# KiCad board output.Panel_R0.5.1_300x300_2layer_step1_Modified.kicad_pcb (continued)
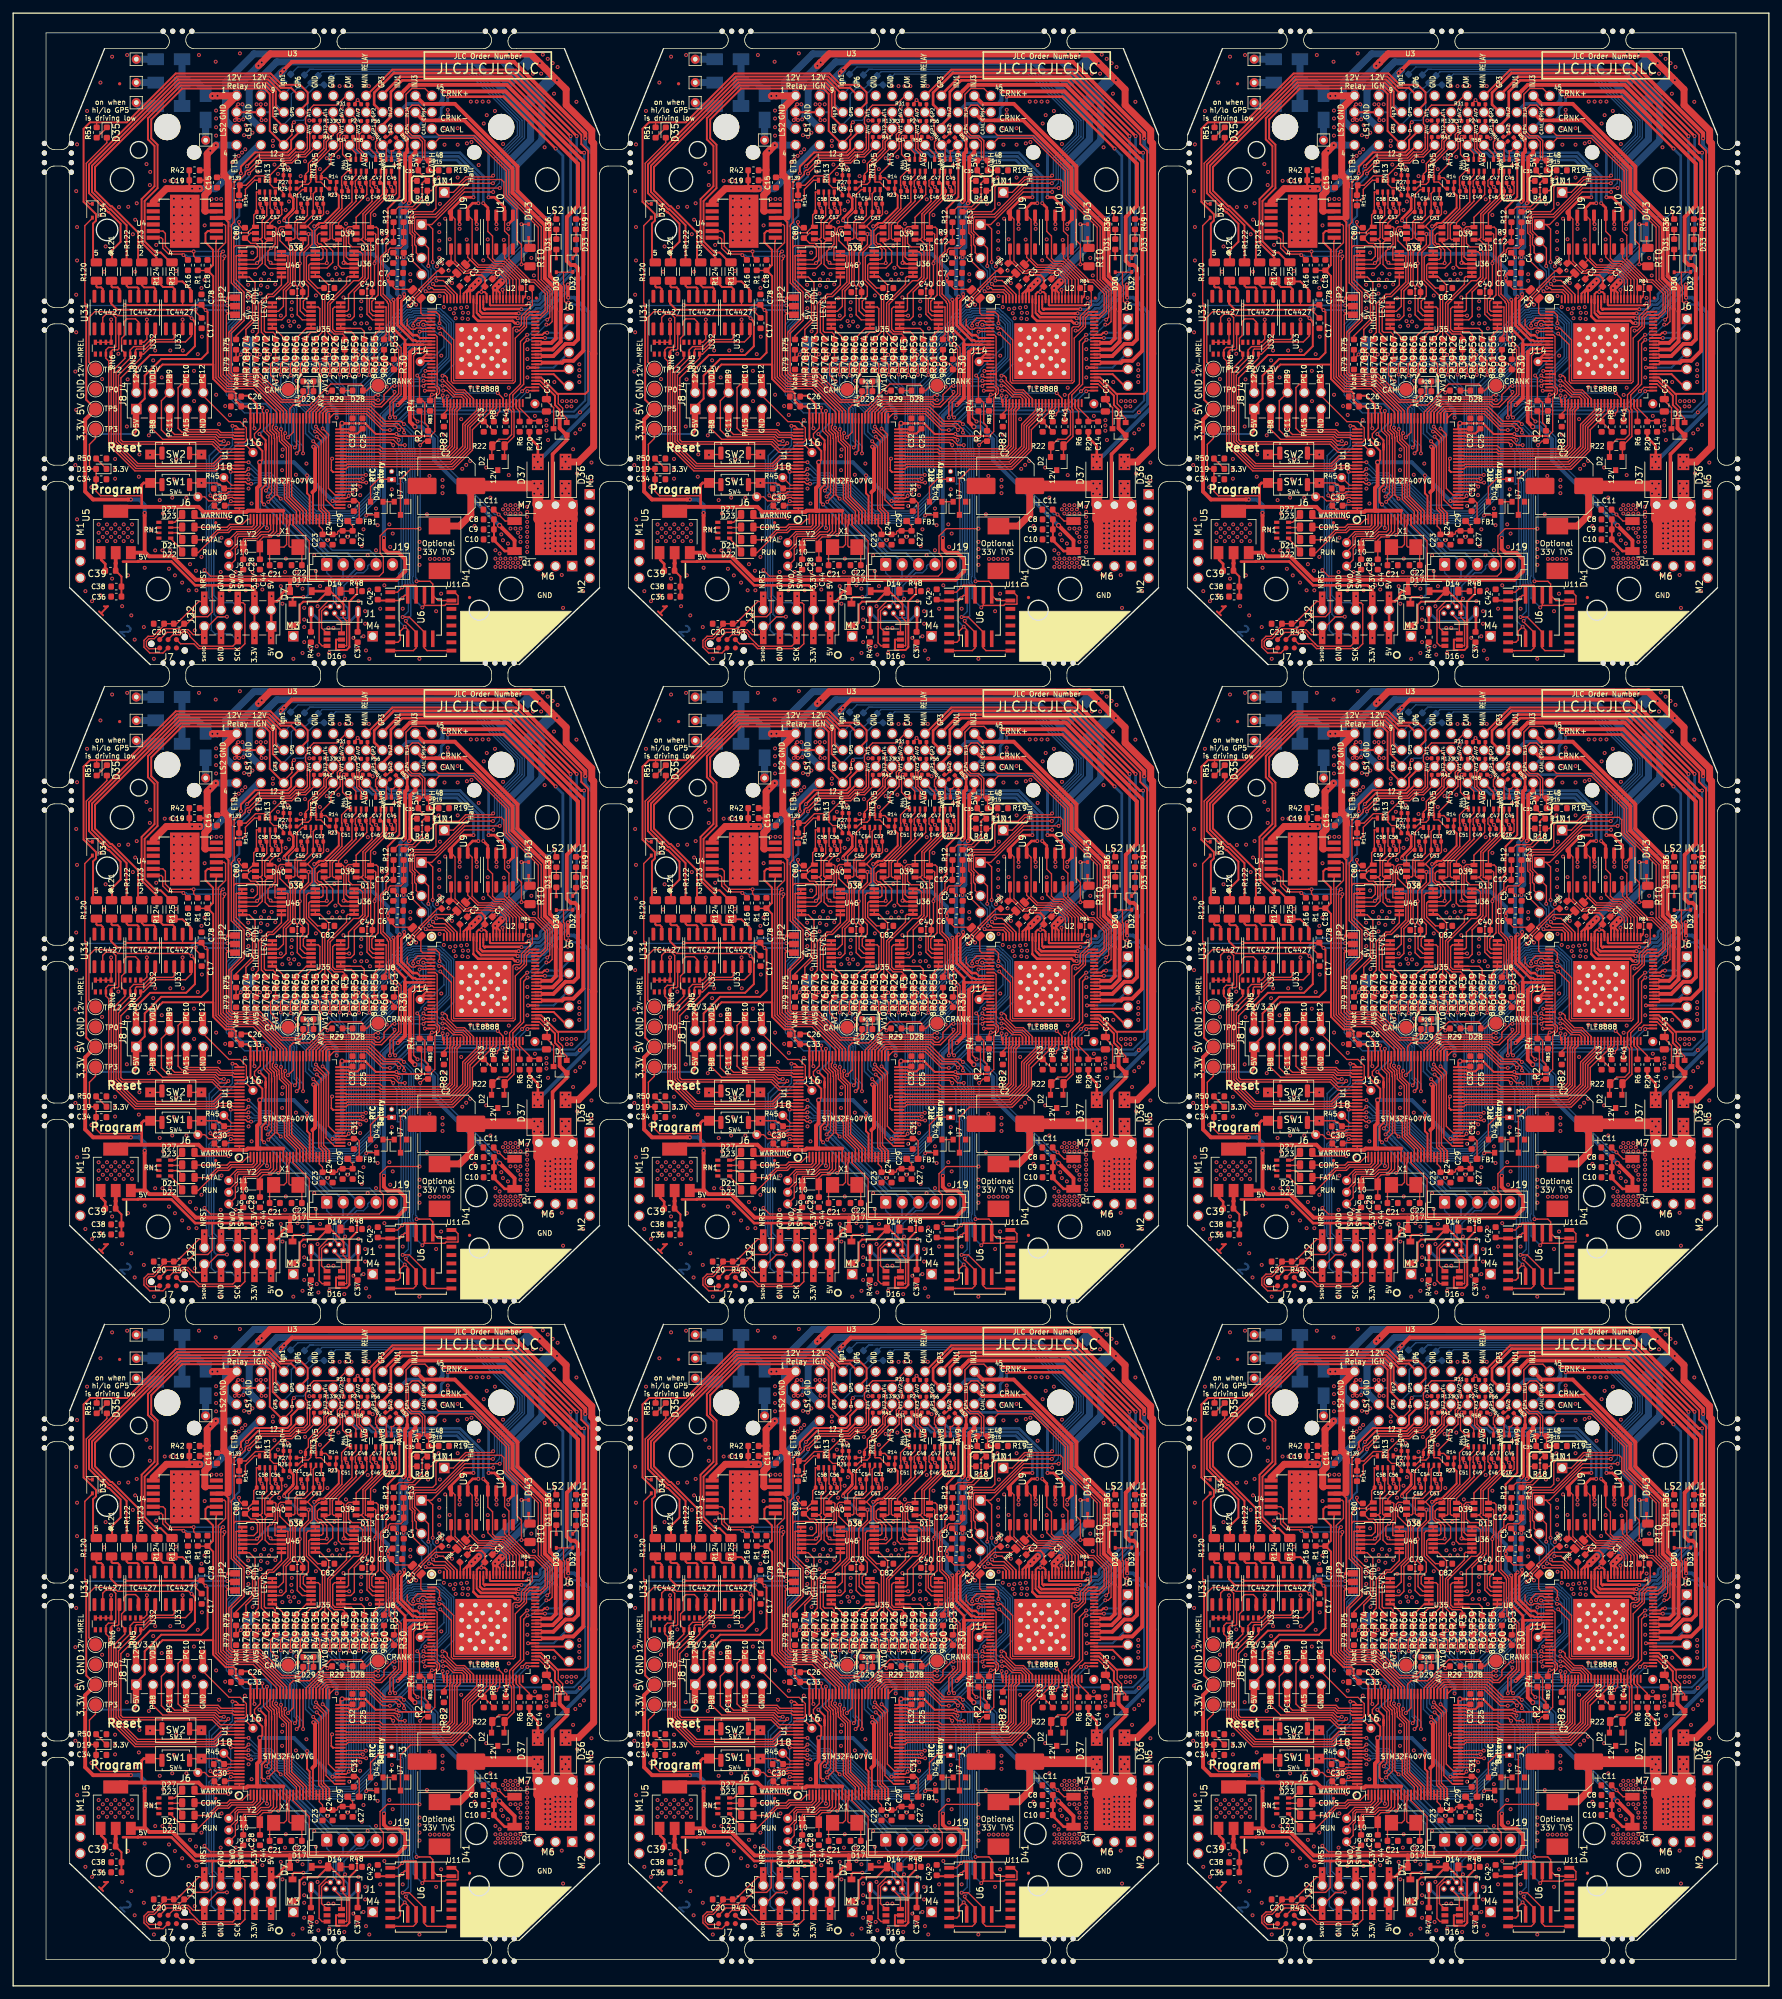
[diagram p0: board, top side]
## Placement (name value [footprint] x y rotation side) (continued)
C37#4  100nF  [C_0603_1608Metric]  137.39 108.11 270 top
C37#5  100nF  [C_0603_1608Metric]  222.39 108.11 270 top
C37#6  100nF  [C_0603_1608Metric]  52.39 108.11 270 top
C37#7  100nF  [C_0603_1608Metric]  222.39 11.11 270 top
C37#8  100nF  [C_0603_1608Metric]  52.39 11.11 270 top
C37#9  100nF  [C_0603_1608Metric]  137.39 11.11 270 top
C38  100nF  [C_0603_1608Metric]  15.69 212.8 180 top
C38#2  100nF  [C_0603_1608Metric]  100.69 212.8 180 top
C38#3  100nF  [C_0603_1608Metric]  185.69 212.8 180 top
C38#4  100nF  [C_0603_1608Metric]  100.69 115.8 180 top
C38#5  100nF  [C_0603_1608Metric]  185.69 115.8 180 top
C38#6  100nF  [C_0603_1608Metric]  15.69 115.8 180 top
C38#7  100nF  [C_0603_1608Metric]  185.69 18.8 180 top
C38#8  100nF  [C_0603_1608Metric]  15.69 18.8 180 top
C38#9  100nF  [C_0603_1608Metric]  100.69 18.8 180 top
C39  22uF  [C_0603_1608Metric]  14.8 215.21 0 top
C39#2  22uF  [C_0603_1608Metric]  99.8 215.21 0 top
C39#3  22uF  [C_0603_1608Metric]  184.8 215.21 0 top
C39#4  22uF  [C_0603_1608Metric]  184.8 118.21 0 top
C39#5  22uF  [C_0603_1608Metric]  99.8 118.21 0 top
C39#6  22uF  [C_0603_1608Metric]  14.8 118.21 0 top
C39#7  22uF  [C_0603_1608Metric]  184.8 21.21 0 top
C39#8  22uF  [C_0603_1608Metric]  99.8 21.21 0 top
C39#9  22uF  [C_0603_1608Metric]  14.8 21.21 0 top
C40  10nF  [C_0603_1608Metric]  53.85 257.56 180 top
C40#2  10nF  [C_0603_1608Metric]  138.85 257.56 180 top
C40#3  10nF  [C_0603_1608Metric]  223.85 257.56 180 top
C40#4  10nF  [C_0603_1608Metric]  138.85 160.56 180 top
C40#5  10nF  [C_0603_1608Metric]  223.85 160.56 180 top
C40#6  10nF  [C_0603_1608Metric]  53.85 160.56 180 top
C40#7  10nF  [C_0603_1608Metric]  223.85 63.56 180 top
C40#8  10nF  [C_0603_1608Metric]  53.85 63.56 180 top
C40#9  10nF  [C_0603_1608Metric]  138.85 63.56 180 top
C41  2.2uF  [C_0603_1608Metric]  74.9 237.12 270 top
C41#2  2.2uF  [C_0603_1608Metric]  159.9 237.12 270 top
C41#3  2.2uF  [C_0603_1608Metric]  244.9 237.12 270 top
C41#4  2.2uF  [C_0603_1608Metric]  74.9 140.12 270 top
C41#5  2.2uF  [C_0603_1608Metric]  244.9 140.12 270 top
C41#6  2.2uF  [C_0603_1608Metric]  159.9 140.12 270 top
C41#7  2.2uF  [C_0603_1608Metric]  74.9 43.12 270 top
C41#8  2.2uF  [C_0603_1608Metric]  244.9 43.12 270 top
C41#9  2.2uF  [C_0603_1608Metric]  159.9 43.12 270 top
C42  100nF  [C_0603_1608Metric]  55.45 211.6 270 top
C42#2  100nF  [C_0603_1608Metric]  140.45 211.6 270 top
C42#3  100nF  [C_0603_1608Metric]  225.45 211.6 270 top
C42#4  100nF  [C_0603_1608Metric]  140.45 114.6 270 top
C42#5  100nF  [C_0603_1608Metric]  225.45 114.6 270 top
C42#6  100nF  [C_0603_1608Metric]  55.45 114.6 270 top
C42#7  100nF  [C_0603_1608Metric]  225.45 17.6 270 top
C42#8  100nF  [C_0603_1608Metric]  55.45 17.6 270 top
C42#9  100nF  [C_0603_1608Metric]  140.45 17.6 270 top
C43  22uF 25V  [C_0805_2012Metric]  81.1 240.36 270 top
C43#2  22uF 25V  [C_0805_2012Metric]  166.1 240.36 270 top
C43#3  22uF 25V  [C_0805_2012Metric]  251.1 240.36 270 top
C43#4  22uF 25V  [C_0805_2012Metric]  251.1 143.36 270 top
C43#5  22uF 25V  [C_0805_2012Metric]  166.1 143.36 270 top
C43#6  22uF 25V  [C_0805_2012Metric]  81.1 143.36 270 top
C43#7  22uF 25V  [C_0805_2012Metric]  251.1 46.36 270 top
C43#8  22uF 25V  [C_0805_2012Metric]  166.1 46.36 270 top
C43#9  22uF 25V  [C_0805_2012Metric]  81.1 46.36 270 top
C44  6.8pF  [C_0603_1608Metric]  37.53 216.16 90 top
C44#2  6.8pF  [C_0603_1608Metric]  122.53 216.16 90 top
C44#3  6.8pF  [C_0603_1608Metric]  207.53 216.16 90 top
C44#4  6.8pF  [C_0603_1608Metric]  207.53 119.16 90 top
C44#5  6.8pF  [C_0603_1608Metric]  122.53 119.16 90 top
C44#6  6.8pF  [C_0603_1608Metric]  37.53 119.16 90 top
C44#7  6.8pF  [C_0603_1608Metric]  207.53 22.16 90 top
C44#8  6.8pF  [C_0603_1608Metric]  122.53 22.16 90 top
C44#9  6.8pF  [C_0603_1608Metric]  37.53 22.16 90 top
C45  100nF  [C_0402_1005Metric]  57.22 272.93 0 top
C45#2  100nF  [C_0402_1005Metric]  142.22 272.93 0 top
C45#3  100nF  [C_0402_1005Metric]  227.21 272.93 0 top
C45#4  100nF  [C_0402_1005Metric]  57.22 175.93 0 top
C45#5  100nF  [C_0402_1005Metric]  227.21 175.93 0 top
C45#6  100nF  [C_0402_1005Metric]  142.22 175.93 0 top
C45#7  100nF  [C_0402_1005Metric]  57.22 78.93 0 top
C45#8  100nF  [C_0402_1005Metric]  227.21 78.93 0 top
C45#9  100nF  [C_0402_1005Metric]  142.22 78.93 0 top
C46  100nF  [C_0402_1005Metric]  55.31 274.2 180 top
C46#2  100nF  [C_0402_1005Metric]  140.31 274.2 180 top
C46#3  100nF  [C_0402_1005Metric]  225.31 274.2 180 top
C46#4  100nF  [C_0402_1005Metric]  55.31 177.2 180 top
C46#5  100nF  [C_0402_1005Metric]  225.31 177.2 180 top
C46#6  100nF  [C_0402_1005Metric]  140.31 177.2 180 top
C46#7  100nF  [C_0402_1005Metric]  55.31 80.2 180 top
C46#8  100nF  [C_0402_1005Metric]  225.31 80.2 180 top
C46#9  100nF  [C_0402_1005Metric]  140.31 80.2 180 top
C47  100nF  [C_0402_1005Metric]  55.06 272.93 0 top
C47#2  100nF  [C_0402_1005Metric]  140.06 272.93 0 top
C47#3  100nF  [C_0402_1005Metric]  225.06 272.93 0 top
C47#4  100nF  [C_0402_1005Metric]  55.06 175.93 0 top
C47#5  100nF  [C_0402_1005Metric]  225.06 175.93 0 top
C47#6  100nF  [C_0402_1005Metric]  140.06 175.93 0 top
C47#7  100nF  [C_0402_1005Metric]  225.06 78.93 0 top
C47#8  100nF  [C_0402_1005Metric]  55.06 78.93 0 top
C47#9  100nF  [C_0402_1005Metric]  140.06 78.93 0 top
C48  100nF  [C_0402_1005Metric]  53.15 274.2 180 top
C48#2  100nF  [C_0402_1005Metric]  138.15 274.2 180 top
C48#3  100nF  [C_0402_1005Metric]  223.15 274.2 180 top
C48#4  100nF  [C_0402_1005Metric]  53.15 177.2 180 top
C48#5  100nF  [C_0402_1005Metric]  223.15 177.2 180 top
C48#6  100nF  [C_0402_1005Metric]  138.15 177.2 180 top
C48#7  100nF  [C_0402_1005Metric]  223.15 80.2 180 top
C48#8  100nF  [C_0402_1005Metric]  53.15 80.2 180 top
C48#9  100nF  [C_0402_1005Metric]  138.15 80.2 180 top
C49  100nF  [C_0402_1005Metric]  52.64 272.93 0 top
C49#2  100nF  [C_0402_1005Metric]  137.64 272.93 0 top
C49#3  100nF  [C_0402_1005Metric]  222.64 272.93 0 top
C49#4  100nF  [C_0402_1005Metric]  52.64 175.93 0 top
C49#5  100nF  [C_0402_1005Metric]  222.64 175.93 0 top
C49#6  100nF  [C_0402_1005Metric]  137.64 175.93 0 top
C49#7  100nF  [C_0402_1005Metric]  52.64 78.93 0 top
C49#8  100nF  [C_0402_1005Metric]  222.64 78.93 0 top
C49#9  100nF  [C_0402_1005Metric]  137.64 78.93 0 top
C50  100nF  [C_0402_1005Metric]  50.99 274.2 180 top
C50#2  100nF  [C_0402_1005Metric]  135.99 274.2 180 top
C50#3  100nF  [C_0402_1005Metric]  220.99 274.2 180 top
C50#4  100nF  [C_0402_1005Metric]  50.99 177.2 180 top
C50#5  100nF  [C_0402_1005Metric]  220.99 177.2 180 top
C50#6  100nF  [C_0402_1005Metric]  135.99 177.2 180 top
C50#7  100nF  [C_0402_1005Metric]  50.99 80.2 180 top
C50#8  100nF  [C_0402_1005Metric]  220.99 80.2 180 top
C50#9  100nF  [C_0402_1005Metric]  135.99 80.2 180 top
C51  100nF  [C_0402_1005Metric]  50.48 272.93 0 top
C51#2  100nF  [C_0402_1005Metric]  135.48 272.93 0 top
C51#3  100nF  [C_0402_1005Metric]  220.48 272.93 0 top
C51#4  100nF  [C_0402_1005Metric]  50.48 175.93 0 top
C51#5  100nF  [C_0402_1005Metric]  220.48 175.93 0 top
C51#6  100nF  [C_0402_1005Metric]  135.48 175.93 0 top
C51#7  100nF  [C_0402_1005Metric]  220.48 78.93 0 top
C51#8  100nF  [C_0402_1005Metric]  50.48 78.93 0 top
C51#9  100nF  [C_0402_1005Metric]  135.48 78.93 0 top
C52  100nF  [C_0402_1005Metric]  46.67 271.03 180 top
C52#2  100nF  [C_0402_1005Metric]  131.67 271.03 180 top
C52#3  100nF  [C_0402_1005Metric]  216.67 271.03 180 top
C52#4  100nF  [C_0402_1005Metric]  46.67 174.03 180 top
C52#5  100nF  [C_0402_1005Metric]  216.67 174.03 180 top
C52#6  100nF  [C_0402_1005Metric]  131.67 174.03 180 top
C52#7  100nF  [C_0402_1005Metric]  216.67 77.03 180 top
C52#8  100nF  [C_0402_1005Metric]  46.67 77.03 180 top
C52#9  100nF  [C_0402_1005Metric]  131.67 77.03 180 top
C53  100nF  [C_0402_1005Metric]  46.17 269.76 0 top
C53#2  100nF  [C_0402_1005Metric]  131.17 269.76 0 top
C53#3  100nF  [C_0402_1005Metric]  216.17 269.76 0 top
C53#4  100nF  [C_0402_1005Metric]  46.17 172.76 0 top
C53#5  100nF  [C_0402_1005Metric]  216.17 172.76 0 top
C53#6  100nF  [C_0402_1005Metric]  131.17 172.76 0 top
C53#7  100nF  [C_0402_1005Metric]  46.17 75.76 0 top
C53#8  100nF  [C_0402_1005Metric]  216.17 75.76 0 top
C53#9  100nF  [C_0402_1005Metric]  131.17 75.76 0 top
C54  100nF  [C_0402_1005Metric]  44.26 271.03 180 top
C54#2  100nF  [C_0402_1005Metric]  129.26 271.03 180 top
C54#3  100nF  [C_0402_1005Metric]  214.26 271.03 180 top
C54#4  100nF  [C_0402_1005Metric]  44.26 174.03 180 top
C54#5  100nF  [C_0402_1005Metric]  214.26 174.03 180 top
C54#6  100nF  [C_0402_1005Metric]  129.26 174.03 180 top
C54#7  100nF  [C_0402_1005Metric]  214.26 77.03 180 top
C54#8  100nF  [C_0402_1005Metric]  44.26 77.03 180 top
C54#9  100nF  [C_0402_1005Metric]  129.26 77.03 180 top
C55  100nF  [C_0402_1005Metric]  43.63 269.76 0 top
C55#2  100nF  [C_0402_1005Metric]  128.63 269.76 0 top
C55#3  100nF  [C_0402_1005Metric]  213.63 269.76 0 top
C55#4  100nF  [C_0402_1005Metric]  43.63 172.76 0 top
C55#5  100nF  [C_0402_1005Metric]  213.63 172.76 0 top
C55#6  100nF  [C_0402_1005Metric]  128.63 172.76 0 top
C55#7  100nF  [C_0402_1005Metric]  43.63 75.76 0 top
C55#8  100nF  [C_0402_1005Metric]  213.63 75.76 0 top
C55#9  100nF  [C_0402_1005Metric]  128.63 75.76 0 top
C56  100nF  [C_0402_1005Metric]  40.32 271.03 180 top
C56#2  100nF  [C_0402_1005Metric]  125.32 271.03 180 top
C56#3  100nF  [C_0402_1005Metric]  210.32 271.03 180 top
C56#4  100nF  [C_0402_1005Metric]  40.32 174.03 180 top
C56#5  100nF  [C_0402_1005Metric]  210.32 174.03 180 top
C56#6  100nF  [C_0402_1005Metric]  125.32 174.03 180 top
C56#7  100nF  [C_0402_1005Metric]  210.32 77.03 180 top
C56#8  100nF  [C_0402_1005Metric]  40.32 77.03 180 top
C56#9  100nF  [C_0402_1005Metric]  125.32 77.03 180 top
C57  100nF  [C_0402_1005Metric]  39.82 269.76 0 top
C57#2  100nF  [C_0402_1005Metric]  124.82 269.76 0 top
C57#3  100nF  [C_0402_1005Metric]  209.82 269.76 0 top
C57#4  100nF  [C_0402_1005Metric]  39.82 172.76 0 top
C57#5  100nF  [C_0402_1005Metric]  209.82 172.76 0 top
C57#6  100nF  [C_0402_1005Metric]  124.82 172.76 0 top
C57#7  100nF  [C_0402_1005Metric]  209.82 75.76 0 top
C57#8  100nF  [C_0402_1005Metric]  39.82 75.76 0 top
C57#9  100nF  [C_0402_1005Metric]  124.82 75.76 0 top
C58  100nF  [C_0402_1005Metric]  38.04 271.03 180 top
C58#2  100nF  [C_0402_1005Metric]  123.04 271.03 180 top
C58#3  100nF  [C_0402_1005Metric]  208.04 271.03 180 top
C58#4  100nF  [C_0402_1005Metric]  38.04 174.03 180 top
C58#5  100nF  [C_0402_1005Metric]  208.04 174.03 180 top
C58#6  100nF  [C_0402_1005Metric]  123.04 174.03 180 top
C58#7  100nF  [C_0402_1005Metric]  208.04 77.03 180 top
C58#8  100nF  [C_0402_1005Metric]  38.04 77.03 180 top
C58#9  100nF  [C_0402_1005Metric]  123.04 77.03 180 top
C59  100nF  [C_0402_1005Metric]  37.53 269.76 0 top
C59#2  100nF  [C_0402_1005Metric]  122.53 269.76 0 top
C59#3  100nF  [C_0402_1005Metric]  207.53 269.76 0 top
C59#4  100nF  [C_0402_1005Metric]  37.53 172.76 0 top
C59#5  100nF  [C_0402_1005Metric]  207.53 172.76 0 top
C59#6  100nF  [C_0402_1005Metric]  122.53 172.76 0 top
C59#7  100nF  [C_0402_1005Metric]  207.53 75.76 0 top
C59#8  100nF  [C_0402_1005Metric]  37.53 75.76 0 top
C59#9  100nF  [C_0402_1005Metric]  122.53 75.76 0 top
C78  100nF  [C_0603_1608Metric]  28.64 256.45 90 top
C78#2  100nF  [C_0603_1608Metric]  113.64 256.45 90 top
C78#3  100nF  [C_0603_1608Metric]  198.64 256.45 90 top
C78#4  100nF  [C_0603_1608Metric]  113.64 159.45 90 top
C78#5  100nF  [C_0603_1608Metric]  198.64 159.45 90 top
C78#6  100nF  [C_0603_1608Metric]  28.64 159.45 90 top
C78#7  100nF  [C_0603_1608Metric]  198.64 62.45 90 top
C78#8  100nF  [C_0603_1608Metric]  28.64 62.45 90 top
C78#9  100nF  [C_0603_1608Metric]  113.64 62.45 90 top
C79  10nF  [C_0603_1608Metric]  43.25 257.56 180 top
C79#2  10nF  [C_0603_1608Metric]  128.25 257.56 180 top
C79#3  10nF  [C_0603_1608Metric]  213.25 257.56 180 top
C79#4  10nF  [C_0603_1608Metric]  128.25 160.56 180 top
C79#5  10nF  [C_0603_1608Metric]  213.25 160.56 180 top
C79#6  10nF  [C_0603_1608Metric]  43.25 160.56 180 top
C79#7  10nF  [C_0603_1608Metric]  213.25 63.56 180 top
C79#8  10nF  [C_0603_1608Metric]  43.25 63.56 180 top
C79#9  10nF  [C_0603_1608Metric]  128.25 63.56 180 top
C80  10nF  [C_0603_1608Metric]  35.24 266.58 90 top
C80#2  10nF  [C_0603_1608Metric]  120.24 266.58 90 top
C80#3  10nF  [C_0603_1608Metric]  205.24 266.58 90 top
C80#4  10nF  [C_0603_1608Metric]  120.24 169.58 90 top
C80#5  10nF  [C_0603_1608Metric]  205.24 169.58 90 top
C80#6  10nF  [C_0603_1608Metric]  35.24 169.58 90 top
C80#7  10nF  [C_0603_1608Metric]  205.24 72.58 90 top
C80#8  10nF  [C_0603_1608Metric]  35.24 72.58 90 top
C80#9  10nF  [C_0603_1608Metric]  120.24 72.58 90 top
C82  10nF  [C_0603_1608Metric]  48.07 258.2 0 top
C82#2  10nF  [C_0603_1608Metric]  133.07 258.2 0 top
C82#3  10nF  [C_0603_1608Metric]  218.07 258.2 0 top
C82#4  10nF  [C_0603_1608Metric]  133.07 161.2 0 top
C82#5  10nF  [C_0603_1608Metric]  218.07 161.2 0 top
C82#6  10nF  [C_0603_1608Metric]  48.07 161.2 0 top
C82#7  10nF  [C_0603_1608Metric]  218.07 64.2 0 top
C82#8  10nF  [C_0603_1608Metric]  48.07 64.2 0 top
C82#9  10nF  [C_0603_1608Metric]  133.07 64.2 0 top
D1  BAV70  [SOT-23]  83.19 236.8 180 top
D1#2  BAV70  [SOT-23]  168.19 236.8 180 top
D1#3  BAV70  [SOT-23]  253.19 236.8 180 top
D1#4  BAV70  [SOT-23]  83.19 139.8 180 top
D1#5  BAV70  [SOT-23]  253.19 139.8 180 top
D1#6  BAV70  [SOT-23]  168.19 139.8 180 top
D1#7  BAV70  [SOT-23]  83.19 42.8 180 top
D1#8  BAV70  [SOT-23]  253.19 42.8 180 top
D1#9  BAV70  [SOT-23]  168.19 42.8 180 top
D2  PESD1CAN-UX  [SOT-23]  73.7 231.5 270 top
D2#2  PESD1CAN-UX  [SOT-23]  158.7 231.5 270 top
D2#3  PESD1CAN-UX  [SOT-23]  243.7 231.5 270 top
D2#4  PESD1CAN-UX  [SOT-23]  73.7 134.5 270 top
D2#5  PESD1CAN-UX  [SOT-23]  243.7 134.5 270 top
D2#6  PESD1CAN-UX  [SOT-23]  158.7 134.5 270 top
D2#7  PESD1CAN-UX  [SOT-23]  73.7 37.5 270 top
D2#8  PESD1CAN-UX  [SOT-23]  243.7 37.5 270 top
D2#9  PESD1CAN-UX  [SOT-23]  158.7 37.5 270 top
D3  SS54  [D_SMA]  23.69 285.88 180 bottom
D3#2  SS54  [D_SMA]  108.69 285.88 180 bottom
D3#3  SS54  [D_SMA]  193.69 285.88 180 bottom
D3#4  SS54  [D_SMA]  23.69 188.88 180 bottom
D3#5  SS54  [D_SMA]  193.69 188.88 180 bottom
D3#6  SS54  [D_SMA]  108.69 188.88 180 bottom
D3#7  SS54  [D_SMA]  23.69 91.88 180 bottom
D3#8  SS54  [D_SMA]  193.69 91.88 180 bottom
D3#9  SS54  [D_SMA]  108.69 91.88 180 bottom
D4  SS54  [D_SMA]  29.27 285.76 270 bottom
D4#2  SS54  [D_SMA]  114.28 285.76 270 bottom
D4#3  SS54  [D_SMA]  199.28 285.76 270 bottom
D4#4  SS54  [D_SMA]  29.27 188.76 270 bottom
D4#5  SS54  [D_SMA]  199.28 188.76 270 bottom
D4#6  SS54  [D_SMA]  114.28 188.76 270 bottom
D4#7  SS54  [D_SMA]  29.27 91.76 270 bottom
D4#8  SS54  [D_SMA]  199.28 91.76 270 bottom
D4#9  SS54  [D_SMA]  114.28 91.76 270 bottom
D5  SS54  [D_SMA]  23.69 289.44 180 bottom
D5#2  SS54  [D_SMA]  108.69 289.44 180 bottom
D5#3  SS54  [D_SMA]  193.69 289.44 180 bottom
D5#4  SS54  [D_SMA]  23.69 192.44 180 bottom
D5#5  SS54  [D_SMA]  193.69 192.44 180 bottom
D5#6  SS54  [D_SMA]  108.69 192.44 180 bottom
D5#7  SS54  [D_SMA]  23.69 95.44 180 bottom
D5#8  SS54  [D_SMA]  193.69 95.44 180 bottom
D5#9  SS54  [D_SMA]  108.69 95.44 180 bottom
D6  SS54  [D_SMA]  23.69 293 180 bottom
D6#2  SS54  [D_SMA]  108.69 293 180 bottom
D6#3  SS54  [D_SMA]  193.69 293 180 bottom
D6#4  SS54  [D_SMA]  23.69 196 180 bottom
D6#5  SS54  [D_SMA]  193.69 196 180 bottom
D6#6  SS54  [D_SMA]  108.69 196 180 bottom
D6#7  SS54  [D_SMA]  23.69 99 180 bottom
D6#8  SS54  [D_SMA]  193.69 99 180 bottom
D6#9  SS54  [D_SMA]  108.69 99 180 bottom
D7  B5819W  [D_SOD-123]  42.48 208.54 90 top
D7#2  B5819W  [D_SOD-123]  127.48 208.54 90 top
D7#3  B5819W  [D_SOD-123]  212.48 208.54 90 top
D7#4  B5819W  [D_SOD-123]  42.48 111.54 90 top
D7#5  B5819W  [D_SOD-123]  212.48 111.54 90 top
D7#6  B5819W  [D_SOD-123]  127.48 111.54 90 top
D7#7  B5819W  [D_SOD-123]  42.48 14.54 90 top
D7#8  B5819W  [D_SOD-123]  212.48 14.54 90 top
D7#9  B5819W  [D_SOD-123]  127.48 14.54 90 top
D13  SRV05-4  [SOT-23-6]  53.25 266.5 0 top
D13#2  SRV05-4  [SOT-23-6]  138.25 266.5 0 top
D13#3  SRV05-4  [SOT-23-6]  223.25 266.5 0 top
D13#4  SRV05-4  [SOT-23-6]  53.25 169.5 0 top
D13#5  SRV05-4  [SOT-23-6]  223.25 169.5 0 top
D13#6  SRV05-4  [SOT-23-6]  138.25 169.5 0 top
D13#7  SRV05-4  [SOT-23-6]  53.25 72.5 0 top
D13#8  SRV05-4  [SOT-23-6]  223.25 72.5 0 top
D13#9  SRV05-4  [SOT-23-6]  138.25 72.5 0 top
D14  LED-GREEN  [C_0805_2012Metric]  48.83 212.1 180 top
D14#2  LED-GREEN  [C_0805_2012Metric]  133.83 212.1 180 top
D14#3  LED-GREEN  [C_0805_2012Metric]  218.83 212.1 180 top
D14#4  LED-GREEN  [C_0805_2012Metric]  218.83 115.1 180 top
D14#5  LED-GREEN  [C_0805_2012Metric]  133.83 115.1 180 top
D14#6  LED-GREEN  [C_0805_2012Metric]  48.83 115.1 180 top
D14#7  LED-GREEN  [C_0805_2012Metric]  218.83 18.1 180 top
D14#8  LED-GREEN  [C_0805_2012Metric]  133.83 18.1 180 top
D14#9  LED-GREEN  [C_0805_2012Metric]  48.83 18.1 180 top
D15  SS54  [D_SMA]  79.51 287.61 225 bottom
D15#2  SS54  [D_SMA]  164.51 287.61 225 bottom
D15#3  SS54  [D_SMA]  249.51 287.61 225 bottom
D15#4  SS54  [D_SMA]  79.51 190.61 225 bottom
D15#5  SS54  [D_SMA]  249.51 190.61 225 bottom
D15#6  SS54  [D_SMA]  164.51 190.61 225 bottom
D15#7  SS54  [D_SMA]  79.51 93.61 225 bottom
D15#8  SS54  [D_SMA]  249.51 93.61 225 bottom
D15#9  SS54  [D_SMA]  164.51 93.61 225 bottom
D16  SRV05-4  [SOT-23-6]  48.83 204.73 0 top
D16#2  SRV05-4  [SOT-23-6]  133.83 204.73 0 top
D16#3  SRV05-4  [SOT-23-6]  218.83 204.73 0 top
D16#4  SRV05-4  [SOT-23-6]  218.83 107.73 0 top
D16#5  SRV05-4  [SOT-23-6]  133.83 107.73 0 top
D16#6  SRV05-4  [SOT-23-6]  48.83 107.73 0 top
D16#7  SRV05-4  [SOT-23-6]  218.83 10.73 0 top
D16#8  SRV05-4  [SOT-23-6]  133.83 10.73 0 top
D16#9  SRV05-4  [SOT-23-6]  48.83 10.73 0 top
D17  B5819W  [D_SOD-123]  43.75 212.1 0 top
D17#2  B5819W  [D_SOD-123]  128.75 212.1 0 top
D17#3  B5819W  [D_SOD-123]  213.75 212.1 0 top
D17#4  B5819W  [D_SOD-123]  43.75 115.1 0 top
D17#5  B5819W  [D_SOD-123]  213.75 115.1 0 top
D17#6  B5819W  [D_SOD-123]  128.75 115.1 0 top
D17#7  B5819W  [D_SOD-123]  43.75 18.1 0 top
D17#8  B5819W  [D_SOD-123]  213.75 18.1 0 top
D17#9  B5819W  [D_SOD-123]  128.75 18.1 0 top
D19  LED-RED  [LED_0603_1608Metric]  13.4 230.69 180 top
D19#2  LED-RED  [LED_0603_1608Metric]  98.4 230.69 180 top
D19#3  LED-RED  [LED_0603_1608Metric]  183.4 230.69 180 top
D19#4  LED-RED  [LED_0603_1608Metric]  13.4 133.69 180 top
D19#5  LED-RED  [LED_0603_1608Metric]  183.4 133.69 180 top
D19#6  LED-RED  [LED_0603_1608Metric]  98.4 133.69 180 top
D19#7  LED-RED  [LED_0603_1608Metric]  183.4 36.69 180 top
D19#8  LED-RED  [LED_0603_1608Metric]  13.4 36.69 180 top
D19#9  LED-RED  [LED_0603_1608Metric]  98.4 36.69 180 top
D20  SS54  [D_SMA]  77.1 291.3 225 bottom
D20#2  SS54  [D_SMA]  162.1 291.3 225 bottom
D20#3  SS54  [D_SMA]  247.1 291.3 225 bottom
D20#4  SS54  [D_SMA]  77.1 194.3 225 bottom
D20#5  SS54  [D_SMA]  247.1 194.3 225 bottom
D20#6  SS54  [D_SMA]  162.1 194.3 225 bottom
D20#7  SS54  [D_SMA]  77.1 97.3 225 bottom
D20#8  SS54  [D_SMA]  247.1 97.3 225 bottom
D20#9  SS54  [D_SMA]  162.1 97.3 225 bottom
D21  LED-RED  [LED_0805_2012Metric]  26.65 219.95 0 top
D21#2  LED-RED  [LED_0805_2012Metric]  111.65 219.95 0 top
D21#3  LED-RED  [LED_0805_2012Metric]  196.65 219.95 0 top
D21#4  LED-RED  [LED_0805_2012Metric]  196.65 122.95 0 top
D21#5  LED-RED  [LED_0805_2012Metric]  111.65 122.95 0 top
D21#6  LED-RED  [LED_0805_2012Metric]  26.65 122.95 0 top
D21#7  LED-RED  [LED_0805_2012Metric]  196.65 25.95 0 top
D21#8  LED-RED  [LED_0805_2012Metric]  111.65 25.95 0 top
D21#9  LED-RED  [LED_0805_2012Metric]  26.65 25.95 0 top
D22  LED-GREEN  [LED_0805_2012Metric]  26.63 218.05 0 top
D22#2  LED-GREEN  [LED_0805_2012Metric]  111.63 218.05 0 top
D22#3  LED-GREEN  [LED_0805_2012Metric]  196.63 218.05 0 top
D22#4  LED-GREEN  [LED_0805_2012Metric]  196.63 121.05 0 top
D22#5  LED-GREEN  [LED_0805_2012Metric]  111.63 121.05 0 top
D22#6  LED-GREEN  [LED_0805_2012Metric]  26.63 121.05 0 top
D22#7  LED-GREEN  [LED_0805_2012Metric]  196.63 24.05 0 top
D22#8  LED-GREEN  [LED_0805_2012Metric]  111.63 24.05 0 top
D22#9  LED-GREEN  [LED_0805_2012Metric]  26.63 24.05 0 top
D23  LED-BLUE  [LED_0805_2012Metric]  26.63 221.85 0 top
D23#2  LED-BLUE  [LED_0805_2012Metric]  111.63 221.85 0 top
D23#3  LED-BLUE  [LED_0805_2012Metric]  196.63 221.85 0 top
D23#4  LED-BLUE  [LED_0805_2012Metric]  196.63 124.85 0 top
D23#5  LED-BLUE  [LED_0805_2012Metric]  111.63 124.85 0 top
D23#6  LED-BLUE  [LED_0805_2012Metric]  26.63 124.85 0 top
D23#7  LED-BLUE  [LED_0805_2012Metric]  196.63 27.85 0 top
D23#8  LED-BLUE  [LED_0805_2012Metric]  111.63 27.85 0 top
D23#9  LED-BLUE  [LED_0805_2012Metric]  26.63 27.85 0 top
D27  LED-YELLOW  [LED_0805_2012Metric]  26.63 223.75 0 top
D27#2  LED-YELLOW  [LED_0805_2012Metric]  111.63 223.75 0 top
D27#3  LED-YELLOW  [LED_0805_2012Metric]  196.63 223.75 0 top
D27#4  LED-YELLOW  [LED_0805_2012Metric]  196.63 126.75 0 top
D27#5  LED-YELLOW  [LED_0805_2012Metric]  111.63 126.75 0 top
D27#6  LED-YELLOW  [LED_0805_2012Metric]  26.63 126.75 0 top
D27#7  LED-YELLOW  [LED_0805_2012Metric]  196.63 29.75 0 top
D27#8  LED-YELLOW  [LED_0805_2012Metric]  111.63 29.75 0 top
D27#9  LED-YELLOW  [LED_0805_2012Metric]  26.63 29.75 0 top
D28  LED-RED  [LED_0603_1608Metric]  52.4 242.6 0 top
D28#2  LED-RED  [LED_0603_1608Metric]  137.4 242.6 0 top
D28#3  LED-RED  [LED_0603_1608Metric]  222.4 242.6 0 top
D28#4  LED-RED  [LED_0603_1608Metric]  52.4 145.6 0 top
D28#5  LED-RED  [LED_0603_1608Metric]  222.4 145.6 0 top
D28#6  LED-RED  [LED_0603_1608Metric]  137.4 145.6 0 top
D28#7  LED-RED  [LED_0603_1608Metric]  52.4 48.6 0 top
D28#8  LED-RED  [LED_0603_1608Metric]  222.4 48.6 0 top
D28#9  LED-RED  [LED_0603_1608Metric]  137.4 48.6 0 top
D29  LED-RED  [LED_0603_1608Metric]  44.9 244 180 top
D29#2  LED-RED  [LED_0603_1608Metric]  129.9 244 180 top
D29#3  LED-RED  [LED_0603_1608Metric]  214.9 244 180 top
D29#4  LED-RED  [LED_0603_1608Metric]  44.9 147 180 top
D29#5  LED-RED  [LED_0603_1608Metric]  214.9 147 180 top
D29#6  LED-RED  [LED_0603_1608Metric]  129.9 147 180 top
D29#7  LED-RED  [LED_0603_1608Metric]  214.9 50 180 top
D29#8  LED-RED  [LED_0603_1608Metric]  44.9 50 180 top
D29#9  LED-RED  [LED_0603_1608Metric]  129.9 50 180 top
D30  1N4148WS  [D_SOD-323]  82.6 261.65 270 top
D30#2  1N4148WS  [D_SOD-323]  167.6 261.65 270 top
D30#3  1N4148WS  [D_SOD-323]  252.6 261.65 270 top
D30#4  1N4148WS  [D_SOD-323]  167.6 164.65 270 top
D30#5  1N4148WS  [D_SOD-323]  252.6 164.65 270 top
D30#6  1N4148WS  [D_SOD-323]  82.6 164.65 270 top
D30#7  1N4148WS  [D_SOD-323]  252.6 67.65 270 top
D30#8  1N4148WS  [D_SOD-323]  167.6 67.65 270 top
D30#9  1N4148WS  [D_SOD-323]  82.6 67.65 270 top
D31  LED-RED  [LED_0603_1608Metric]  82.6 264.85 270 top
D31#2  LED-RED  [LED_0603_1608Metric]  167.6 264.85 270 top
D31#3  LED-RED  [LED_0603_1608Metric]  252.6 264.85 270 top
D31#4  LED-RED  [LED_0603_1608Metric]  82.6 167.85 270 top
D31#5  LED-RED  [LED_0603_1608Metric]  252.6 167.85 270 top
D31#6  LED-RED  [LED_0603_1608Metric]  167.6 167.85 270 top
D31#7  LED-RED  [LED_0603_1608Metric]  252.6 70.85 270 top
D31#8  LED-RED  [LED_0603_1608Metric]  82.6 70.85 270 top
D31#9  LED-RED  [LED_0603_1608Metric]  167.6 70.85 270 top
D32  1N4148WS  [D_SOD-323]  85.1 261.7 270 top
D32#2  1N4148WS  [D_SOD-323]  170.1 261.7 270 top
D32#3  1N4148WS  [D_SOD-323]  255.1 261.7 270 top
D32#4  1N4148WS  [D_SOD-323]  170.1 164.7 270 top
D32#5  1N4148WS  [D_SOD-323]  255.1 164.7 270 top
D32#6  1N4148WS  [D_SOD-323]  85.1 164.7 270 top
D32#7  1N4148WS  [D_SOD-323]  170.1 67.7 270 top
D32#8  1N4148WS  [D_SOD-323]  255.1 67.7 270 top
D32#9  1N4148WS  [D_SOD-323]  85.1 67.7 270 top
D33  LED-RED  [LED_0603_1608Metric]  85.6 264.8 270 top
D33#2  LED-RED  [LED_0603_1608Metric]  170.6 264.8 270 top
D33#3  LED-RED  [LED_0603_1608Metric]  255.6 264.8 270 top
D33#4  LED-RED  [LED_0603_1608Metric]  85.6 167.8 270 top
D33#5  LED-RED  [LED_0603_1608Metric]  255.6 167.8 270 top
D33#6  LED-RED  [LED_0603_1608Metric]  170.6 167.8 270 top
D33#7  LED-RED  [LED_0603_1608Metric]  255.6 70.8 270 top
D33#8  LED-RED  [LED_0603_1608Metric]  85.6 70.8 270 top
D33#9  LED-RED  [LED_0603_1608Metric]  170.6 70.8 270 top
D34  1N4148WS  [D_SOD-323]  12.05 269.95 270 top
D34#2  1N4148WS  [D_SOD-323]  97.05 269.95 270 top
D34#3  1N4148WS  [D_SOD-323]  182.05 269.95 270 top
D34#4  1N4148WS  [D_SOD-323]  97.05 172.95 270 top
D34#5  1N4148WS  [D_SOD-323]  182.05 172.95 270 top
D34#6  1N4148WS  [D_SOD-323]  12.05 172.95 270 top
D34#7  1N4148WS  [D_SOD-323]  182.05 75.95 270 top
D34#8  1N4148WS  [D_SOD-323]  97.05 75.95 270 top
D34#9  1N4148WS  [D_SOD-323]  12.05 75.95 270 top
D35  LED-RED  [LED_0603_1608Metric]  14.25 281.85 270 top
D35#2  LED-RED  [LED_0603_1608Metric]  99.25 281.85 270 top
D35#3  LED-RED  [LED_0603_1608Metric]  184.25 281.85 270 top
D35#4  LED-RED  [LED_0603_1608Metric]  14.25 184.85 270 top
D35#5  LED-RED  [LED_0603_1608Metric]  184.25 184.85 270 top
D35#6  LED-RED  [LED_0603_1608Metric]  99.25 184.85 270 top
D35#7  LED-RED  [LED_0603_1608Metric]  184.25 87.85 270 top
D35#8  LED-RED  [LED_0603_1608Metric]  14.25 87.85 270 top
D35#9  LED-RED  [LED_0603_1608Metric]  99.25 87.85 270 top
D36  SS54  [D_SMA]  84 229.75 90 top
D36#2  SS54  [D_SMA]  169 229.75 90 top
D36#3  SS54  [D_SMA]  254 229.75 90 top
D36#4  SS54  [D_SMA]  84 132.75 90 top
D36#5  SS54  [D_SMA]  254 132.75 90 top
D36#6  SS54  [D_SMA]  169 132.75 90 top
D36#7  SS54  [D_SMA]  84 35.75 90 top
D36#8  SS54  [D_SMA]  254 35.75 90 top
D36#9  SS54  [D_SMA]  169 35.75 90 top
D37  SS54  [D_SMA]  79.79 229.75 90 top
D37#2  SS54  [D_SMA]  164.79 229.75 90 top
D37#3  SS54  [D_SMA]  249.79 229.75 90 top
D37#4  SS54  [D_SMA]  79.79 132.75 90 top
D37#5  SS54  [D_SMA]  249.79 132.75 90 top
D37#6  SS54  [D_SMA]  164.79 132.75 90 top
D37#7  SS54  [D_SMA]  79.79 35.75 90 top
D37#8  SS54  [D_SMA]  249.79 35.75 90 top
D37#9  SS54  [D_SMA]  164.79 35.75 90 top
D38  SRV05-4  [SOT-23-6]  42.99 266.58 0 top
D38#2  SRV05-4  [SOT-23-6]  127.99 266.58 0 top
D38#3  SRV05-4  [SOT-23-6]  212.99 266.58 0 top
D38#4  SRV05-4  [SOT-23-6]  42.99 169.58 0 top
D38#5  SRV05-4  [SOT-23-6]  212.99 169.58 0 top
D38#6  SRV05-4  [SOT-23-6]  127.99 169.58 0 top
D38#7  SRV05-4  [SOT-23-6]  212.99 72.58 0 top
D38#8  SRV05-4  [SOT-23-6]  127.99 72.58 0 top
D38#9  SRV05-4  [SOT-23-6]  42.99 72.58 0 top
D39  SRV05-4  [SOT-23-6]  48.39 266.5 180 top
D39#2  SRV05-4  [SOT-23-6]  133.39 266.5 180 top
D39#3  SRV05-4  [SOT-23-6]  218.39 266.5 180 top
D39#4  SRV05-4  [SOT-23-6]  48.39 169.5 180 top
D39#5  SRV05-4  [SOT-23-6]  218.39 169.5 180 top
D39#6  SRV05-4  [SOT-23-6]  133.39 169.5 180 top
D39#7  SRV05-4  [SOT-23-6]  48.39 72.5 180 top
D39#8  SRV05-4  [SOT-23-6]  218.39 72.5 180 top
D39#9  SRV05-4  [SOT-23-6]  133.39 72.5 180 top
D40  SRV05-4  [SOT-23-6]  37.95 266.56 180 top
D40#2  SRV05-4  [SOT-23-6]  122.95 266.56 180 top
D40#3  SRV05-4  [SOT-23-6]  207.95 266.56 180 top
D40#4  SRV05-4  [SOT-23-6]  37.95 169.56 180 top
D40#5  SRV05-4  [SOT-23-6]  207.95 169.56 180 top
D40#6  SRV05-4  [SOT-23-6]  122.95 169.56 180 top
D40#7  SRV05-4  [SOT-23-6]  37.95 72.56 180 top
D40#8  SRV05-4  [SOT-23-6]  207.95 72.56 180 top
D40#9  SRV05-4  [SOT-23-6]  122.95 72.56 180 top
D41  SM15T33C  [D_SMC]  64.83 218.57 270 top
D41#2  SM15T33C  [D_SMC]  149.84 218.57 270 top
D41#3  SM15T33C  [D_SMC]  234.83 218.57 270 top
D41#4  SM15T33C  [D_SMC]  64.83 121.57 270 top
D41#5  SM15T33C  [D_SMC]  234.83 121.57 270 top
D41#6  SM15T33C  [D_SMC]  149.84 121.57 270 top
D41#7  SM15T33C  [D_SMC]  234.83 24.57 270 top
D41#8  SM15T33C  [D_SMC]  149.84 24.57 270 top
D41#9  SM15T33C  [D_SMC]  64.83 24.57 270 top
D42  BAV70  [SOT-23]  55.3 224.7 270 top
D42#2  BAV70  [SOT-23]  140.3 224.7 270 top
D42#3  BAV70  [SOT-23]  225.3 224.7 270 top
D42#4  BAV70  [SOT-23]  55.3 127.7 270 top
D42#5  BAV70  [SOT-23]  225.3 127.7 270 top
D42#6  BAV70  [SOT-23]  140.3 127.7 270 top
D42#7  BAV70  [SOT-23]  55.3 30.7 270 top
D42#8  BAV70  [SOT-23]  225.3 30.7 270 top
D42#9  BAV70  [SOT-23]  140.3 30.7 270 top
D43  1N4148WS  [D_SOD-323]  78.4 266.85 90 top
D43#2  1N4148WS  [D_SOD-323]  163.4 266.85 90 top
D43#3  1N4148WS  [D_SOD-323]  248.4 266.85 90 top
D43#4  1N4148WS  [D_SOD-323]  78.4 169.85 90 top
D43#5  1N4148WS  [D_SOD-323]  248.4 169.85 90 top
D43#6  1N4148WS  [D_SOD-323]  163.4 169.85 90 top
D43#7  1N4148WS  [D_SOD-323]  78.4 72.85 90 top
D43#8  1N4148WS  [D_SOD-323]  248.4 72.85 90 top
D43#9  1N4148WS  [D_SOD-323]  163.4 72.85 90 top
FB1  FILTER  [R_0603_1608Metric_Pad1.05x0.95mm_HandSolder]  51.75 222.77 180 top
FB1#2  FILTER  [R_0603_1608Metric_Pad1.05x0.95mm_HandSolder]  136.75 222.77 180 top
FB1#3  FILTER  [R_0603_1608Metric_Pad1.05x0.95mm_HandSolder]  221.75 222.77 180 top
FB1#4  FILTER  [R_0603_1608Metric_Pad1.05x0.95mm_HandSolder]  136.75 125.77 180 top
FB1#5  FILTER  [R_0603_1608Metric_Pad1.05x0.95mm_HandSolder]  221.75 125.77 180 top
FB1#6  FILTER  [R_0603_1608Metric_Pad1.05x0.95mm_HandSolder]  51.75 125.77 180 top
FB1#7  FILTER  [R_0603_1608Metric_Pad1.05x0.95mm_HandSolder]  221.75 28.77 180 top
FB1#8  FILTER  [R_0603_1608Metric_Pad1.05x0.95mm_HandSolder]  136.75 28.77 180 top
FB1#9  FILTER  [R_0603_1608Metric_Pad1.05x0.95mm_HandSolder]  51.75 28.77 180 top
FID1  Fiducial  [Fiducial_0.5mm_Mask1mm]  16.19 289.26 0 top
FID1#2  Fiducial  [Fiducial_0.5mm_Mask1mm]  101.19 289.26 0 top
FID1#3  Fiducial  [Fiducial_0.5mm_Mask1mm]  186.19 289.26 0 top
FID1#4  Fiducial  [Fiducial_0.5mm_Mask1mm]  101.19 192.26 0 top
FID1#5  Fiducial  [Fiducial_0.5mm_Mask1mm]  186.19 192.26 0 top
FID1#6  Fiducial  [Fiducial_0.5mm_Mask1mm]  16.19 192.26 0 top
FID1#7  Fiducial  [Fiducial_0.5mm_Mask1mm]  186.19 95.26 0 top
FID1#8  Fiducial  [Fiducial_0.5mm_Mask1mm]  101.19 95.26 0 top
FID1#9  Fiducial  [Fiducial_0.5mm_Mask1mm]  16.19 95.26 0 top
FID2  Fiducial  [Fiducial_0.5mm_Mask1mm]  30.8 222.51 0 top
FID2#2  Fiducial  [Fiducial_0.5mm_Mask1mm]  115.8 222.51 0 top
FID2#3  Fiducial  [Fiducial_0.5mm_Mask1mm]  200.8 222.51 0 top
FID2#4  Fiducial  [Fiducial_0.5mm_Mask1mm]  200.8 125.51 0 top
FID2#5  Fiducial  [Fiducial_0.5mm_Mask1mm]  115.8 125.51 0 top
FID2#6  Fiducial  [Fiducial_0.5mm_Mask1mm]  30.8 125.51 0 top
FID2#7  Fiducial  [Fiducial_0.5mm_Mask1mm]  200.8 28.51 0 top
FID2#8  Fiducial  [Fiducial_0.5mm_Mask1mm]  115.8 28.51 0 top
FID2#9  Fiducial  [Fiducial_0.5mm_Mask1mm]  30.8 28.51 0 top
FID3  Fiducial  [Fiducial_0.5mm_Mask1mm]  79.57 256.68 0 top
FID3#2  Fiducial  [Fiducial_0.5mm_Mask1mm]  164.57 256.68 0 top
FID3#3  Fiducial  [Fiducial_0.5mm_Mask1mm]  249.57 256.68 0 top
FID3#4  Fiducial  [Fiducial_0.5mm_Mask1mm]  164.57 159.68 0 top
FID3#5  Fiducial  [Fiducial_0.5mm_Mask1mm]  249.57 159.68 0 top
FID3#6  Fiducial  [Fiducial_0.5mm_Mask1mm]  79.57 159.68 0 top
FID3#7  Fiducial  [Fiducial_0.5mm_Mask1mm]  249.57 62.68 0 top
FID3#8  Fiducial  [Fiducial_0.5mm_Mask1mm]  164.57 62.68 0 top
FID3#9  Fiducial  [Fiducial_0.5mm_Mask1mm]  79.57 62.68 0 top
FID4  Fiducial  [Fiducial_0.5mm_Mask1mm]  69.41 211.13 0 top
FID4#2  Fiducial  [Fiducial_0.5mm_Mask1mm]  154.41 211.13 0 top
FID4#3  Fiducial  [Fiducial_0.5mm_Mask1mm]  239.41 211.13 0 top
FID4#4  Fiducial  [Fiducial_0.5mm_Mask1mm]  154.41 114.13 0 top
FID4#5  Fiducial  [Fiducial_0.5mm_Mask1mm]  239.41 114.13 0 top
FID4#6  Fiducial  [Fiducial_0.5mm_Mask1mm]  69.41 114.13 0 top
FID4#7  Fiducial  [Fiducial_0.5mm_Mask1mm]  239.41 17.13 0 top
FID4#8  Fiducial  [Fiducial_0.5mm_Mask1mm]  154.41 17.13 0 top
FID4#9  Fiducial  [Fiducial_0.5mm_Mask1mm]  69.41 17.13 0 top
FID5  Fiducial  [Fiducial_0.5mm_Mask1mm]  79.08 258.35 0 bottom
FID5#2  Fiducial  [Fiducial_0.5mm_Mask1mm]  164.08 258.35 0 bottom
FID5#3  Fiducial  [Fiducial_0.5mm_Mask1mm]  249.08 258.35 0 bottom
FID5#4  Fiducial  [Fiducial_0.5mm_Mask1mm]  164.08 161.35 0 bottom
FID5#5  Fiducial  [Fiducial_0.5mm_Mask1mm]  249.08 161.35 0 bottom
FID5#6  Fiducial  [Fiducial_0.5mm_Mask1mm]  79.08 161.35 0 bottom
FID5#7  Fiducial  [Fiducial_0.5mm_Mask1mm]  249.08 64.35 0 bottom
FID5#8  Fiducial  [Fiducial_0.5mm_Mask1mm]  79.08 64.35 0 bottom
FID5#9  Fiducial  [Fiducial_0.5mm_Mask1mm]  164.08 64.35 0 bottom
